# Altium PCB SAFETY_2019_v_3_0.PcbDoc (part 1 of 2) (continued)
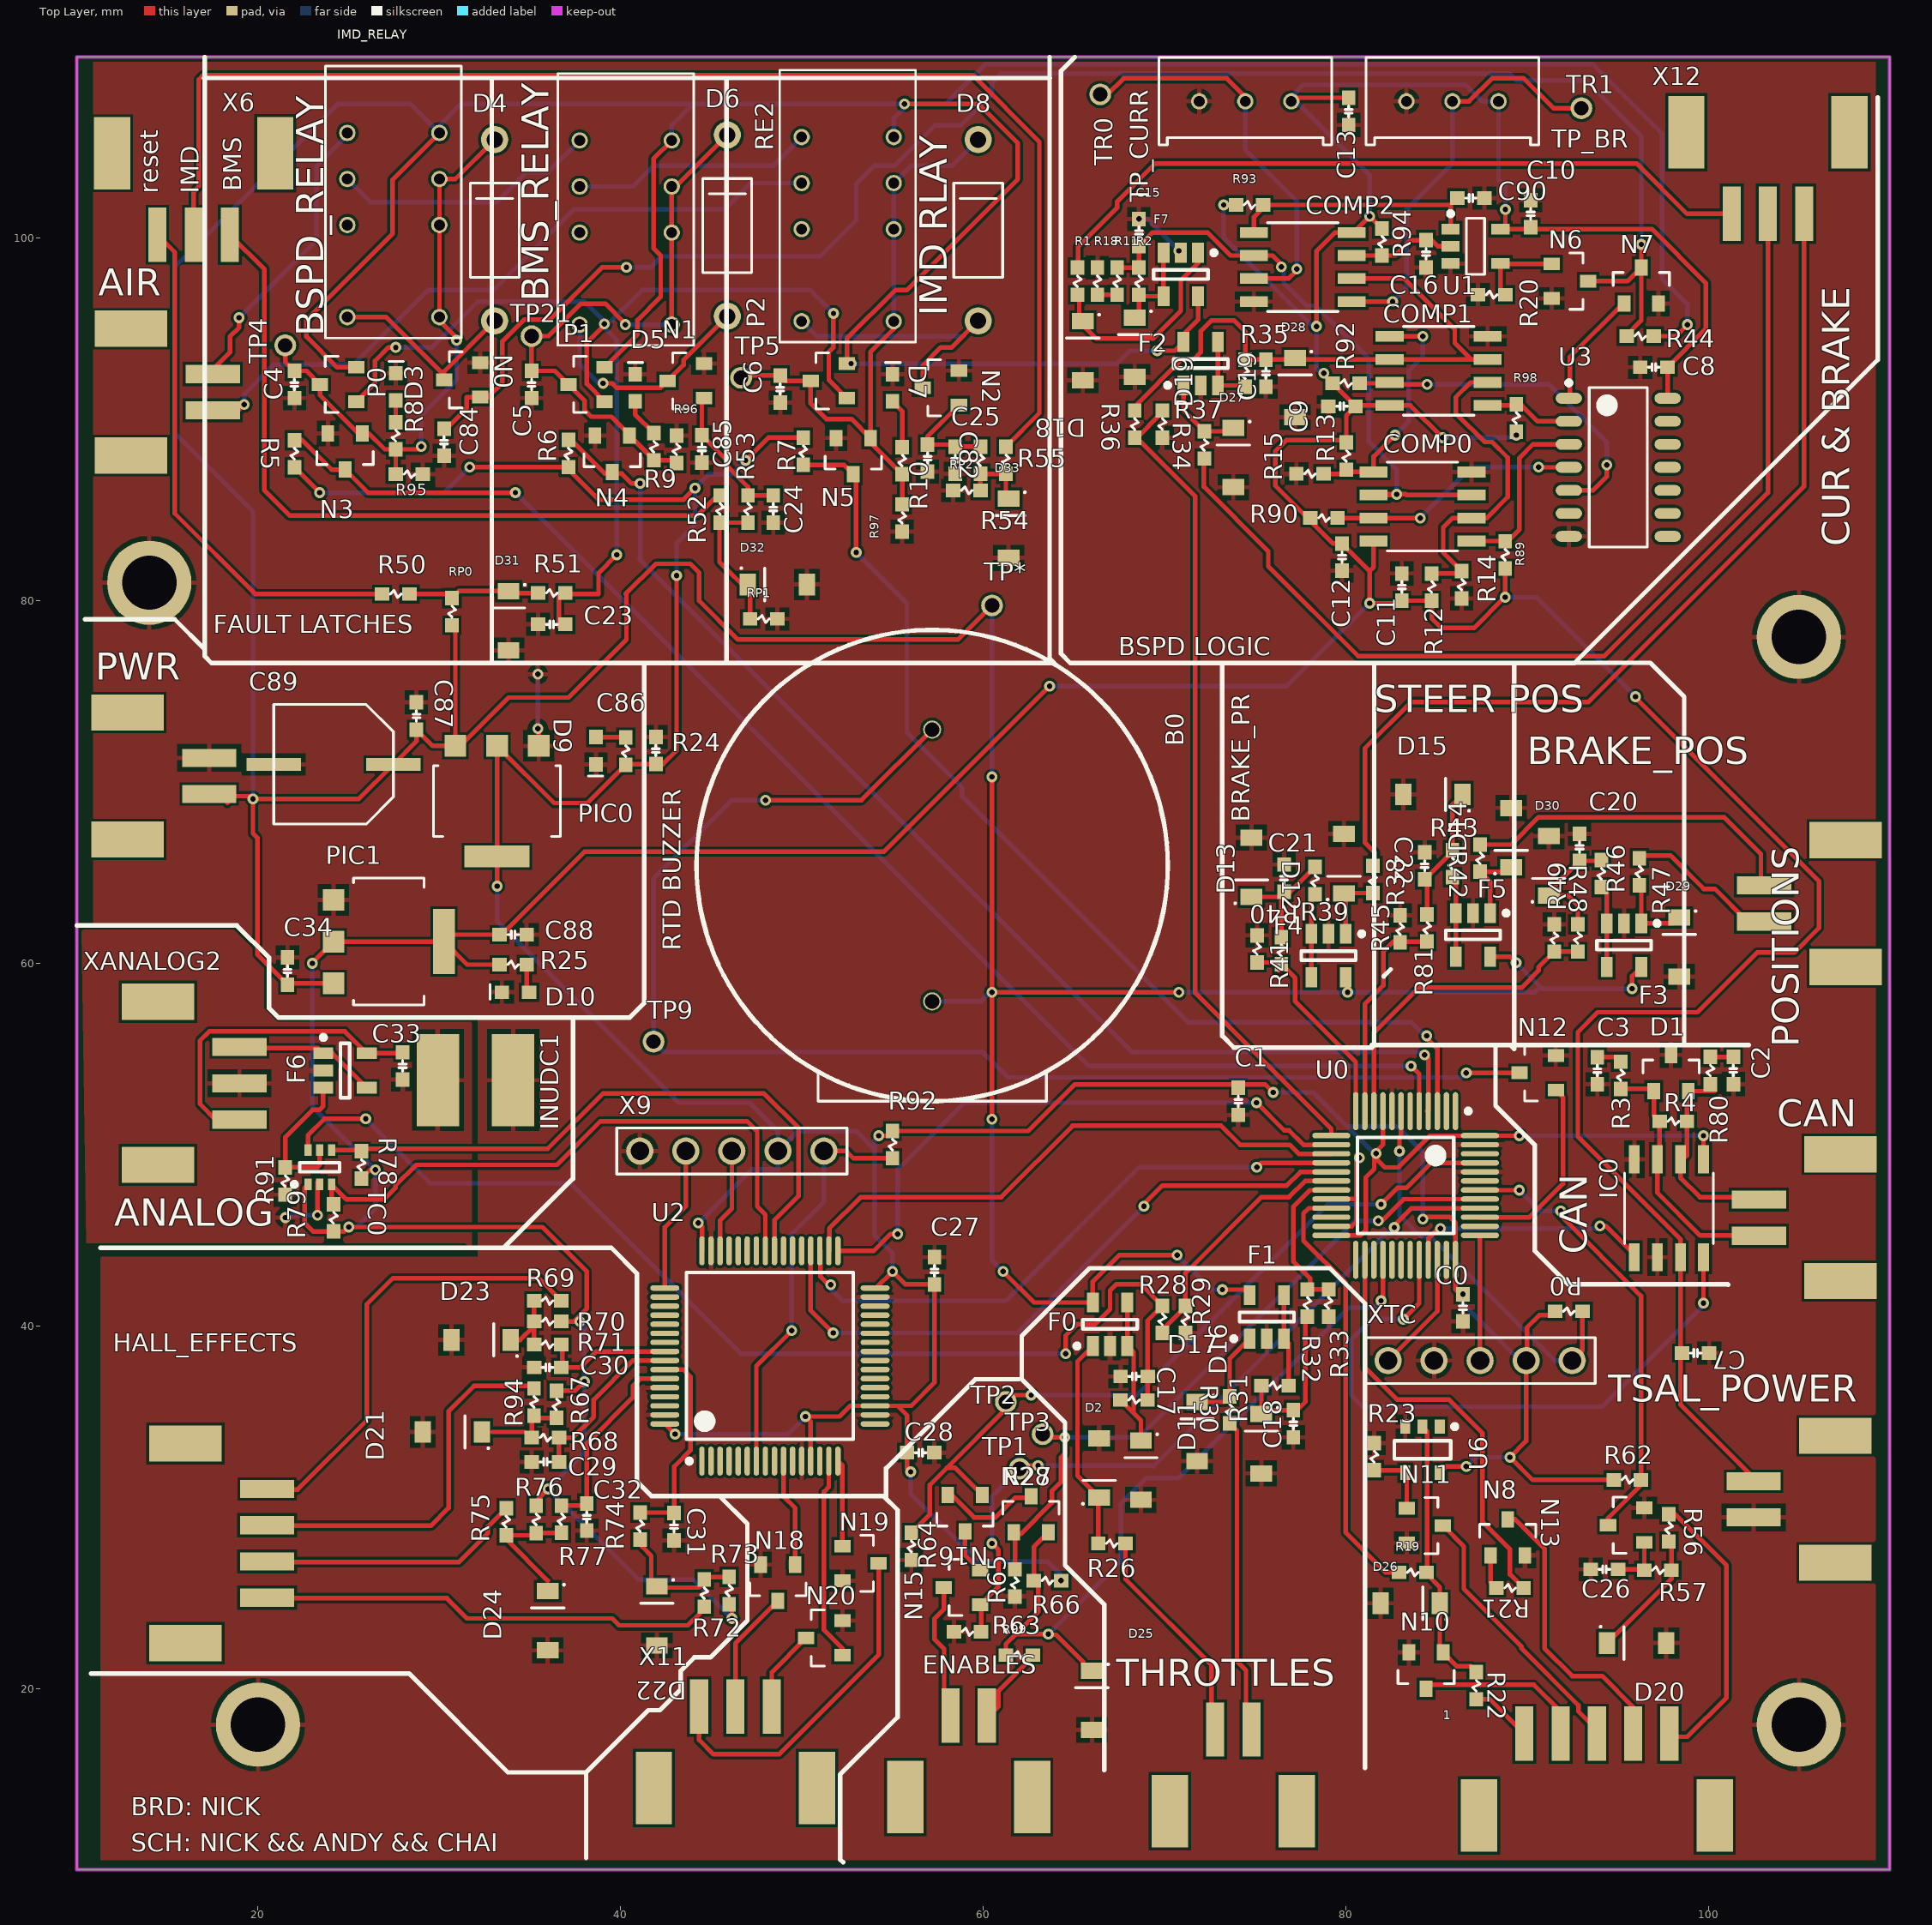
[diagram p0: Top Layer view]
## Components (designator, comment, footprint, x,y, rotation, side; value= is the part's Value field where it differs from the comment) (continued)
PWR "Molex 505575-02 2 Position 2.00mm pitch connector wire to board connector Datasheet" 505575-02 16.809,70.336 r90 top
R0 "10K" RES-0603 92.307,40.807 r0 top
R1 "100" RES-0603 65.2,97.632 r270 top
R2 "10k" RES-0603 68.592,97.632 r90 top
R3 "100" RES-0603 95.174,53.823 r270 top
R4 "120" RES-0603 98.071,51.283 r0 top
R5 "10K" RES-0603 22.007,88.112 r270 top
R6 "10K" RES-0603 37.12,88.124 r270 top
R7 "10K" RES-0603 50.074,88.251 r90 top
R8 "900" RES-0603 27.595,89.106 r90 top
R9 "900" RES-0603 41.831,88.505 r270 top
R10 "900" RES-0603 55.535,87.731 r90 top
R11 "10K" RES-0603 67.392,97.632 r90 top
R12 "2K" RES-0603 84.745,80.758 r270 top
R13 "100K" RES-0603 80.034,87.985 r90 top
R14 "100K" RES-0603 86.396,80.885 r90 top
R15 "2K" RES-0603 78.026,87.005 r0 top
R18 "15K" RES-0603 66.3,97.632 r270 top
R19 "10K" RES-0603 83.7,26.4 r0 top
R20 "10K" RES-0603 88.047,96.887 r180 top
R21 "1K" RES-0603 89.063,25.538 r180 top
R22 "100" RES-0603 87.2,20.15 r270 top
R23 "10K" RES-0603 81.57,32.785 r270 top
R24 "200" RES-0603 40.283,71.705 r270 top
R25 "330" RES-0603 34.073,59.93 r180 top
R26 "100" RES-0603 67.1,28 r180 top
R27 "3.3K" RES-0603 68.319,35.91 r0 top
R28 "10K" RES-0603 69.886,40.36 r90 top
R29 "15K" RES-0603 71.156,40.36 r90 top
R30 "100" RES-0603 73.6,35.365 r90 top
R31 "3.3K" RES-0603 76.1,36.7 r180 top
R32 "10K" RES-0603 77.887,41.261 r270 top
R33 "15K" RES-0603 79.054,41.261 r90 top
R34 "100" RES-0603 72.2,88.6 r90 top
R35 "10k" RES-0603 74.458,92.557 r90 top
R36 "10K" RES-0603 68.362,89.747 r90 top
R37 "15K" RES-0603 69.886,89.747 r90 top
R38 "100" RES-0603 81.5,64.63 r270 top
R39 "10k" RES-0603 78.3,64.566 r90 top
R40 "10K" RES-0603 76.452,60.7 r90 top
R41 "15K" RES-0603 75.113,60.796 r270 top
R42 "100" RES-0603 87.412,65.803 r270 top
R43 "10k" RES-0603 85.888,65.5 r90 top
R44 "10K" RES-0603 96.244,94.601 r180 top
R45 "15K" RES-0603 83,61.9 r270 top
R46 "100" RES-0603 96.2,65.053 r270 top
R47 "10k" RES-0603 94.1,64.95 r90 top
R48 "10K" RES-0603 92.804,61.4 r90 top
R49 "15K" RES-0603 91.5,61.4 r270 top
R50 "100" RES-0603 27.595,80.377 r0 top
R51 "100K" RES-0603 36.2,80.428 r0 top
R52 "100" RES-0603 45.487,85.064 r270 top
R53 "100K" RES-0603 47.026,85.064 r90 top
R54 "100" RES-0603 61.25,87.755 r270 top
R55 "100K" RES-0603 59.853,87.755 r90 top
R56 "100" RES-0603 97.826,28.855 r270 top
R57 "100K" RES-0603 97.219,26.517 r0 top
R62 "10K" RES-0603 95.54,31.506 r180 top
R63 "10K" RES-0603 59.135,23.125 r0 top
R64 "10K" RES-0603 56.038,27.837 r90 top
R65 "10K" RES-0603 61.753,25.817 r90 top
R66 "10K" RES-0603 63.548,25.945 r180 top
R67 "1k" RES-0603 36.461,35.673 r90 top
R68 "10k" RES-0603 35.85,33.834 r0 top
R69 "10" RES-0603 35.977,41.388 r180 top
R70 "1k" RES-0603 35.977,40.245 r0 top
R71 "10k" RES-0603 35.977,38.975 r0 top
R72 "10" RES-0603 44.613,25.259 r90 top
R73 "1k" RES-0603 45.987,25.398 r270 top
R74 "10k" RES-0603 41.081,28.954 r90 top
R75 "10" RES-0603 33.691,29.196 r270 top
R76 "1k" RES-0603 35.342,29.325 r90 top
R77 "10k" RES-0603 36.739,29.335 r90 top
R78 "10K" RES-0603 25.702,48.881 r270 top
R79 "10K" RES-0603 24.166,45.96 r270 top
R80 "100" RES-0603 100.112,54.088 r270 top
R81 "10K" RES-0603 84.486,61.95 r90 top
R89 "10K" RES-0603 88.797,82.536 r270 top
R90 "10K" RES-0603 78.796,84.568 r180 top
R91 "100K" RES-0603 21.499,47.989 r90 top
R92 "10K" RES-0603 80.022,92 r0 top
R92 "10k" RES-0603 55,50 r90 top
R93 "10K" RES-0603 74.695,101.84 r180 top
R94 "10K" RES-0603 82,99.796 r90 top
R94 "10" RES-0603 35.227,35.8 r270 top
R95 "10k" RES-0603 28.345,86.981 r0 top
R96 "10K" RES-0603 43.089,88.356 r90 top
R97 "10K" RES-0603 55.535,84.568 r270 top
R98 "10K" RES-0603 89.408,90.082 r270 top
R99 "100" RES-0603 62,21.835 r0 top
RE2 "IMD RELAY" RELAY-DPDT_EC2 52.527,101.774 r90 top
RP0 "10K" RES-0603 30.7,79.4 r270 top
RP1 "10K" RES-0603 47.896,79 r180 top
RP2 "10K" RES-0603 59.101,86.092 r0 top
TC0 "MCP4018T-502E/LT" SC70-LT6_L 23.404,48.754 r90 top
THROTTLES "Molex 505575-02 2 Position 2.00mm pitch connector wire to board connector Datasheet" 505575-02 73.801,17.233 r180 top
TP1 "TP*" Testpoint 62.012,32.117 r90 top locked
TP2 "TP*" Testpoint 61.25,35.806 r90 top locked
TP3 "TP*" Testpoint 63.282,34.022 r90 top locked
TP4 "TP*" Testpoint 21.499,94.093 r90 top locked
TP5 "TP*" Testpoint 46.645,92.303 r90 top locked
TP9 "TP0" Testpoint 41.819,55.683 r270 top locked
TP21 "TP*" Testpoint 35.088,94.601 r90 top locked
TP* "TP*" Testpoint 60.488,79.742 r270 top
TP_BR "TP*" Testpoint 93,107.174 r90 top locked
TP_CURR "TP*" Testpoint 66.457,107.936 r90 top locked
TR0 "TRIMPOT" TRIMPOT_PV36W 74.458,107.555 r180 top
TR1 "TRIMPOT" TRIMPOT_PV36W 85.888,107.555 r180 top
TSAL_POWER "Molex 505575-02 2 Position 2.00mm pitch connector wire to board connector Datasheet" 505575-02 103,30.436 r270 top
U0 "IC-LQFP48_STM32F103C8T6" STM-LQFP48_M 83.303,47.745 r270 top
U1 "IC-SOT23-5_SN74LVC1G08DBVR" SOT95P280X110-5N 87.158,99.554 r0 top
U2 "STM32F446RET6" STM-LQFP64_L 48.237,38.34 r90 top
U3 "CD4072BM96" SOIC127P600X175-14N 95.032,87.362 r0 top
U6 "SN74LVC1G04DBVR" DBV0005A_L 84.237,33.168 r270 top
X6 "Molex 505575-03 3 Position 2.00mm pitch connector wire to board connector Datasheet" 505575-03 16.451,100.689 r0 top
X9 "TC_DEBUGGER" POS5_254MM_MALE 46.137,49.643 r180 top
X11 "Molex 505575-03 3 Position 2.00mm pitch connector wire to board connector Datasheet" 505575-03 46.331,18.5 r180 top
X12 "Molex 505575-03 3 Position 2.00mm pitch connector wire to board connector Datasheet" 505575-03 103.287,101.85 r0 top
XANALOG2 "Molex 505575-03 3 Position 2.00mm pitch connector wire to board connector Datasheet" 505575-03 18.473,53.381 r90 top
XTC "Molex - Micro-Fit 3.0 Series connector,  3.00mm (0.118\") pitch header, 5 positions." POS5_254MM_MALE 87.412,38.086 r0 top

## Footprints (in the part's own frame and the unit in brackets; to place one, negate y for a bottom-side part, rotate by r counter-clockwise, add the part's x,y. Pads: shape width x height; smd on the part's side, far side on the other; paste and mask are expansions set on the pad)
505575-02 [mm]
  rect 1x3 smd: 1(-1,-0.5) 2(1,-0.5)
  rect 2x4 smd: P$3(-3.5,4) P$4(3.5,4)
505575-03 [mm]
  rect 1x3 smd: 1(-2,-0.5) 2(0,-0.5) 3(2,-0.5)
  rect 2x4 smd: P$3(-4.5,4) P$4(4.5,4)
505575-04 [mm]
  rect 1x3 smd: 1(-3,-0.5) 2(-1,-0.5) 3(1,-0.5) 4(3,-0.5)
  rect 2x4 smd: P$3(-5.5,4) P$4(5.5,4)
505575-05 [mm]
  rect 1x3 smd: 1(-4,-0.5) 2(-2,-0.5) 3(0,-0.5) 4(2,-0.5) 5(4,-0.5)
  rect 2x4 smd: P$3(-6.5,4) P$4(6.5,4)
BUZZER_MAS806Q [mm]
  round 1 hole 0.8: +(7.5,0) -(-7.5,0)
  silkscreen extent -13,-13 13,13, body extent -13,-13 13.05,13, height 22.3
CAP-6.3D7.7H-SMD [mm]
  rect 3x0.7 smd: NEG(3.3,0) POS(-3.3,0)
  silkscreen extent -3.3,-3.3 3.3,3.3, body extent -3.5,-3.3 3.5,3.3, height 7.7
CAP-0603 [mm]
  rect 0.8x0.75 smd: 1(-0.75,0) 2(0.75,0)
  silkscreen extent -0.3,-0.2 0.3,0.2, body extent -0.8,-0.4 0.8,0.42, height 0.81
DBV0005A_L [mm] "SOT23, 5-Leads, Body 3.05x1.75mm, Pitch 0.95mm, IPC High Density"
  rect 0.8x0.55 smd: 1(-1.275,0.95) 2(-1.275,0) 3(-1.275,-0.95) 4(1.275,-0.95) 5(1.275,0.95)
  silkscreen extent -1.4,-1.55 0.5,1.9, body extent -1.42,-1.46 1.42,1.46, height 1.08
DO41-10 [mm]
  round 1.5 hole 0.9: A(-5,0) K(5,0)
  silkscreen extent -2.6,-1.35 2.6,1.35, body extent -2.6,-1.34 2.6,1.35, height 2.85
IND-6045 [mm]
  rect 2.35x5.1 smd: 1(-2.075,0) 2(2.075,0)
  body extent -3.15,-3 3.15,3, height 4.5
LEDBLUE-0603 [mm]
  rect 0.8x0.75 smd: A(-0.75,0) K(0.75,0)
  silkscreen extent 1.4,-0.42 1.4,0.38, body extent -0.8,-0.4 0.8,0.4, height 0.53
LEDRED-0603 [mm]
  rect 0.8x0.75 smd: A(-0.75,0) K(0.75,0)
  silkscreen extent 1.4,-0.42 1.4,0.38, body extent -0.8,-0.4 0.8,0.4, height 0.53
MF05A_N [mm] "SOT23, 5-Leads, Body 2.9x1.6mm, Pitch 0.95mm, Lead Span 2.8mm, IPC Medium Density"
  rect 1.1x0.65 smd: 1(-1.2,0.95) 2(-1.2,0) 3(-1.2,-0.95) 4(1.2,-0.95) 5(1.2,0.95)
  silkscreen extent -1.32,-1.5 0.25,1.95, body extent -0.83,-1.49 0.83,1.5, height 1.19
POS5_254MM_MALE [mm]
  round 1.5 hole 1.02: P$1(-5.08,0) P$2(-2.54,0) P$3(0,0) P$4(2.54,0) P$5(5.08,0)
  silkscreen extent -6.35,-1.27 6.35,1.27, body extent -6.35,-1.24 6.35,1.25, height 8.54
RELAY-DPDT_EC2 [mm]
  round 0.9 / inner round 1.524 / far side round 0.9 hole 0.6: 1(-6.35,2.54) 3(-1.27,2.54) 4(1.27,2.54) 5(3.81,2.54) 8(3.81,-2.54) 9(1.27,-2.54) 10(-1.27,-2.54) 12(-6.35,-2.54)
  silkscreen extent -7.5,-3.75 7.5,3.75, body extent -7.4,-3.75 7.6,3.75, height 8.9
RES-0603 [mm]
  rect 0.8x0.75 smd: 1(-0.75,0) 2(0.75,0)
  silkscreen extent -0.3,-0.2 0.3,0.2, body extent -0.8,-0.4 0.8,0.4, height 0.44
SC70-LT6_L [mm] "SOT363, 6-Leads, Body 2x1.3mm, Pitch 0.65mm, Lead Span 2.1mm, IPC High Density"
  rect 0.65x0.4 smd: 1(-0.95,0.65) 2(-0.95,0) 3(-0.95,-0.65) 4(0.95,-0.65) 5(0.95,0) 6(0.95,0.65)
  silkscreen extent -1.07,-1.1 0.25,1.52, body extent -0.7,-1.1 0.7,1.1, height 1.1
SOD123 [mm] "SODFL, 2-Leads, Body 1.55x3.70mm, IPC Medium Density"
  rect 0.9x1.2 smd: A(1.635,0) K(-1.635,0)
  silkscreen extent -2.03,-0.9 -0.7,0.95, body extent -1.85,-0.85 1.85,0.85, height 1.3
SOIC8 [mm]
  rect 0.6x1.55 smd: 1(-1.905,-2.7) 2(-0.635,-2.7) 3(0.635,-2.7) 4(1.905,-2.7) 5(1.905,2.7) 6(0.635,2.7) 7(-0.635,2.7) 8(-1.905,2.7)
  silkscreen extent -2.45,-1.95 2.45,1.95, body extent -2.45,-3.01 2.45,3.01, height 1.5
SOIC127P600X175-14N [mm] "SOIC, 14-Leads, Body 8.65x3.90mm, Pitch 1.27mm, IPC Medium Density"
  oval 1.45x0.6 smd: 1(-2.725,3.81) 2(-2.725,2.54) 3(-2.725,1.27) 4(-2.725,0) 5(-2.725,-1.27) 6(-2.725,-2.54) 7(-2.725,-3.81) 8(2.725,-3.81) 9(2.725,-2.54) 10(2.725,-1.27) 11(2.725,0) 12(2.725,1.27) 13(2.725,2.54) 14(2.725,3.81)
  silkscreen extent -2.85,-4.4 1.6,4.78, body extent -3,-4.4 3,4.4, height 1.75
SOT23 [mm]
  rect 0.7x0.9 smd: 1(-0.95,-1) 2(0.95,-1) 3(0,1)
  silkscreen extent -1.55,0 1.55,0.71, body extent -1.45,-1.41 1.45,1.41, height 1.5
SOT95P280X110-5N [mm] "SOT23, 5-Leads, Body 2.90x2.80mm, Pitch 0.95mm, IPC Medium Density"
  rect 1x0.6 smd: 1(-1.375,0.95) 2(-1.375,0) 3(-1.375,-0.95) 4(1.375,-0.95) 5(1.375,0.95)
  silkscreen extent -1.5,-1.55 0.5,1.92, body extent -1.5,-1.53 1.5,1.53, height 1.1
SOT223 [mm]
  rect 1.2x1.2 smd: 1(-2.3,-3.05) 2(0,-3.05) 3(2.3,-3.05)
  rect 3.6x1.2 smd: 4(0,3.05)
  silkscreen extent -3.5,-1.95 3.5,1.95, body extent -3.25,-3.52 3.25,3.5, height 1.8
STM-LQFP48_M [mm] "QFP, 48-Leads, Body 7x7mm, Pitch 0.5mm, IPC Low Density"
  oval 2.1x0.3 smd: 1(-4.1,2.75) 2(-4.1,2.25) 3(-4.1,1.75) 4(-4.1,1.25) 5(-4.1,0.75) 6(-4.1,0.25) 7(-4.1,-0.25) 8(-4.1,-0.75) 9(-4.1,-1.25) 10(-4.1,-1.75) 11(-4.1,-2.25) 12(-4.1,-2.75) 25(4.1,-2.75) 26(4.1,-2.25) 27(4.1,-1.75) 28(4.1,-1.25) 29(4.1,-0.75) 30(4.1,-0.25) 31(4.1,0.25) 32(4.1,0.75) 33(4.1,1.25) 34(4.1,1.75) 35(4.1,2.25) 36(4.1,2.75)
  oval 0.3x2.1 smd: 13(-2.75,-4.1) 14(-2.25,-4.1) 15(-1.75,-4.1) 16(-1.25,-4.1) 17(-0.75,-4.1) 18(-0.25,-4.1) 19(0.25,-4.1) 20(0.75,-4.1) 21(1.25,-4.1) 22(1.75,-4.1) 23(2.25,-4.1) 24(2.75,-4.1) 37(2.75,4.1) 38(2.25,4.1) 39(1.75,4.1) 40(1.25,4.1) 41(0.75,4.1) 42(0.25,4.1) 43(-0.25,4.1) 44(-0.75,4.1) 45(-1.25,4.1) 46(-1.75,4.1) 47(-2.25,4.1) 48(-2.75,4.1)
  silkscreen extent -4.22,-2.65 2.65,3.57, body extent -4.51,-4.51 4.51,4.51, height 1.55
STM-LQFP64_L [mm] "QFP, 64-Leads, Body 10x10mm, Pitch 0.5mm, IPC High Density"
  oval 1.6x0.3 smd: 1(-5.8,3.75) 2(-5.8,3.25) 3(-5.8,2.75) 4(-5.8,2.25) 5(-5.8,1.75) 6(-5.8,1.25) 7(-5.8,0.75) 8(-5.8,0.25) 9(-5.8,-0.25) 10(-5.8,-0.75) 11(-5.8,-1.25) 12(-5.8,-1.75) 13(-5.8,-2.25) 14(-5.8,-2.75) 15(-5.8,-3.25) 16(-5.8,-3.75) 33(5.8,-3.75) 34(5.8,-3.25) 35(5.8,-2.75) 36(5.8,-2.25) 37(5.8,-1.75) 38(5.8,-1.25) 39(5.8,-0.75) 40(5.8,-0.25) 41(5.8,0.25) 42(5.8,0.75) 43(5.8,1.25) 44(5.8,1.75) 45(5.8,2.25) 46(5.8,2.75) 47(5.8,3.25) 48(5.8,3.75)
  oval 0.3x1.6 smd: 17(-3.75,-5.8) 18(-3.25,-5.8) 19(-2.75,-5.8) 20(-2.25,-5.8) 21(-1.75,-5.8) 22(-1.25,-5.8) 23(-0.75,-5.8) 24(-0.25,-5.8) 25(0.25,-5.8) 26(0.75,-5.8) 27(1.25,-5.8) 28(1.75,-5.8) 29(2.25,-5.8) 30(2.75,-5.8) 31(3.25,-5.8) 32(3.75,-5.8) 49(3.75,5.8) 50(3.25,5.8) 51(2.75,5.8) 52(2.25,5.8) 53(1.75,5.8) 54(1.25,5.8) 55(0.75,5.8) 56(0.25,5.8) 57(-0.25,5.8) 58(-0.75,5.8) 59(-1.25,5.8) 60(-1.75,5.8) 61(-2.25,5.8) 62(-2.75,5.8) 63(-3.25,5.8) 64(-3.75,5.8)
  silkscreen extent -5.92,-4.6 4.6,4.6, body extent -5,-5 5,5, height 1.6
Testpoint [mm]
  round 1.2 hole 0.8: 1(0,0)
TRIMPOT_PV36W [mm]
  round 0.9 hole 0.6: 1(-2.54,0) 2(0,0) 3(2.54,0)
  silkscreen extent -4.76,-2.42 4.76,2.41, body extent -4.77,-2.41 4.75,2.41, height 11.59

## Part data
1: library part 505575-05, DeviceSetName=505575-05, GateName_1=G$1, LibraryName="MOLEX Micro-Lock", Package=505575-05, SymbolName_1=5POS
AIR CAN ENABLES POSITIONS PWR THROTTLES TSAL_POWER: library part 505575-02, DeviceSetName=505575-02, GateName_1=G$1, LibraryName="MOLEX Micro-Lock", Package=505575-02, SymbolName_1=2POS
BMS_RELAY IMD_RELAY RE2: library part RELAY_EC2, Package=DPDT_2.54, DeviceSetName=EC2, GateName_1=G$1, LibraryName=KEMET, SymbolName_1=MONOSTABLERELAY
C0 C1 C2 C3 C4 C5 C6 C7 C8 C9 C10 C11 C12 C13 C15 C16 C17 C18 C19 C20 C21 C22 C23 C24 C25 C26 C27 C28 C29 C30 C31 C32 C33 C34 C82 C84 C85 C86 C87 C88 C90: library part CAP-0603
C89: library part CAP-6.3D7.7H-SMD
D2 D11 D12 D13 D14 D15 D16 D17 D18 D19 D20 D21 D22 D23 D24 D25 D26 D27 D28 D29 D30 D31 D32 D33: library part DIODE-SOD123
D3 D5 D7: library part LEDBLUE-0603
D4 D6 D8: library part DIODE-DO41-10
F0 F1 F2 F3 F4 F5 F6 F7: library part CMP-0055-01048-2, "General Purpose, Low Voltage, Rail-to-Rail Output Operational Amplifiers, 5-pin SOT-23", Manufacturer="National Semiconductor", PackageTopMarking=A13*XTT, PowerWise=N, ComponentLink1Description="LMV321 Datasheet", ComponentLink1URL=http://www.national.com/ds/LM/LMV321.pdf, ComponentLink2Description="LMV321 Web Page", ComponentLink2URL=http://www.national.com/pf/LM/LMV321.html, ComponentLink3Description="MF05A Package Page", ComponentLink3URL=http://www.national.com/packaging/folders/mf05a.html, CompType=Amplifiers, DatasheetVersion=Sep-2009, PackageDescription="Molded SOT-23, .115 x .063 x .040 in Body, 5 Lead, .0375 in Pitch", PackageReference=MF05A, PackageVersion="revD, Aug-2008", PinCount=5, RevisionNote="Component URLs added", RoHS=N
HALL_EFFECTS: library part 505575-04, DeviceSetName=505575-04, GateName_1=G$1, LibraryName="MOLEX Micro-Lock", Package=505575-04, SymbolName_1=4POS
INUDC1: library part IND-6045
N6 N7 N8: library part NMOS-SOT23
PIC0 PIC1: library part LDO-SOT223_SPX1117
R0 R1 R2 R3 R4 R5 R6 R7 R8 R9 R10 R11 R12 R13 R14 R15 R18 R19 R20 R21 R22 R23 R24 R25 R26 R27 R28 R29 R30 R31 R32 R33 R34 R35 R36 R37 R38 R39 R40 R41 R42 R43 R44 R45 R46 R47 R48 R49 R50 R51 R52 R53 R54 R55 R56 R57 R62 R63 R64 R65 R66 R67 R68 R69 R70 R71 R72 R73 R74 R75 R76 R77 R78 R79 R80 R81 R89 R90 R91 R92 R92 R93 R94 R94 R95 R96 R97 R98 R99 RP0 RP1 RP2: library part RES-0603
TC0: library part CMP-0188-00771-2, "7-Bit Single I2C Digital POT with Volatile Memory, 6-pin SC70, Extended Temperature, Tape and Reel", ComponentLink1Description="Manufacturer URL", ComponentLink1URL=http://www.microchip.com/, ComponentLink2Description=Datasheet, ComponentLink2URL=http://ww1.microchip.com/downloads/en/DeviceDoc/22147a.pdf, ComponentLink3Description="Package Specification", ComponentLink3URL=http://www.microchip.com/stellent/groups/techpub_sg/documents/packagingspec/en012702.pdf, DatasheetVersion="revA, Mar-2009", PackageDescription="6-Lead Plastic Small Outline Transistor (LT) [SC70]", PackageReference=SC70-LT6, PackageVersion="revBB, Aug-2009", RevisionNote="URLs added."
TP1 TP2 TP3 TP4 TP5 TP9 TP21 TP* TP_BR TP_CURR: library part Testpoint
TR0 TR1: library part TRIMPOT_PV36W
U0: I/Os (High Current)=37, Operating Frequency(F) (Processor speed) (MHz)=72, PartNumber=STM32F103C8T6, Supplier Part Number 1=497-6063-ND, Supply Voltage(Vcc) min (V)=2, A/D Converter="2x12-bit (10 Channel)", ComponentLink1Description="Manufacturer URL", ComponentLink1URL=http://www.st.com/web/en/home.html, ComponentLink2Description=Datasheet, ComponentLink2URL=http://www.st.com/st-web-ui/static/active/en/resource/technical/document/datasheet/CD00161566.pdf, ComponentLink3Description="Package Specification", ComponentLink3URL=http://www.st.com/st-web-ui/static/active/en/resource/technical/document/datasheet/DM00058181.pdf, Core="ARM Cortex-M3", DatasheetVersion="Rev. 16", FLASH Size (Prog) (kB)=64, Internal RAM Size (kB)=20, Mounting Technology="Surface Mount", PackageDescription="48-Pin Low Profile Quad Flat Package, 7 x 7 mm Body, 0.5 mm Pitch", PackageReference=LQFP48, PackageVersion="Rev. 6, 06/2013", Packing=Tray, Supplier 1=Digi-Key, Supplier 2=Farnell, Supplier 3=Newark, Supplier 4=Newark, Supplier 5=Mouser, Supplier Part Number 2=1447637, Supplier Part Number 3=59M2182, Supplier Part Number 4=57P1222, Supplier Part Number 5=511-STM32F103C8T6
U1: "IC GATE AND 1CH 2-INP SOT23-5", Case/Package=SOT-23, High Level Output Current=-32mA, Low Level Output Current=32mA, Manufacturer="Texas Instruments", Manufacturer Part Number=SN74LVC1G08DBVR, Max Operating Temperature=125°C, Max Supply Voltage=5.5V, Min Operating Temperature=-40°C, Min Supply Voltage=1.65V, Package Quantity=1, Quiescent Current=10uA, ComponentLink1Description=http://www.jameco.com/Jameco/Products/ProdDS/756490.pdf?src-supplier=Jameco, ComponentLink1URL=http://www.jameco.com/Jameco/Products/ProdDS/756490.pdf?src-supplier=Jameco, ComponentLink2Description=http://focus.ti.com/lit/ds/symlink/sn74lvc1g08.pdf?src-supplier=Avnet+Europe, ComponentLink2URL=http://focus.ti.com/lit/ds/symlink/sn74lvc1g08.pdf?src-supplier=Avnet+Europe, ComponentLink3Description=http://www.ti.com/general/docs/lit/getliterature.tsp?genericPartNumber=SN74LVC1G08&amp;&amp;fileType=pdf&src-supplier=Avnet+Asia, ComponentLink3URL=http://www.ti.com/general/docs/lit/getliterature.tsp?genericPartNumber=SN74LVC1G08&amp;&amp;fileType=pdf&src-supplier=Avnet+Asia, ComponentLink4Description=http://www.farnell.com/datasheets/1996458.pdf?src-supplier=Element14, ComponentLink4URL=http://www.farnell.com/datasheets/1996458.pdf?src-supplier=Element14, ComponentLink5Description=http://www.ti.com/lit/pdf/sdyu001?src-supplier=Digi-Key, ComponentLink5URL=http://www.ti.com/lit/pdf/sdyu001?src-supplier=Digi-Key, ComponentLink6Description=https://www.verical.com/server-webapp/html/getDatasheet?partID=39173&src-supplier=Verical, ComponentLink6URL=https://www.verical.com/server-webapp/html/getDatasheet?partID=39173&src-supplier=Verical, ComponentLink7Description=http://www.ti.com/general/docs/lit/getliterature.tsp?genericPartNumber=SN74LVC1G08&&fileType=pdf&src-supplier=Avnet, ComponentLink7URL=http://www.ti.com/general/docs/lit/getliterature.tsp?genericPartNumber=SN74LVC1G08&&fileType=pdf&src-supplier=Avnet, ComponentLink8Description=http://www.produktinfo.conrad.com/datenblaetter/1000000-1099999/001074511-da-01-en-IC_2_INPUT_SN74LVC1G08DBVR_SOT_23_5_TID.pdf?src-supplier=Conrad, ComponentLink8URL=http://www.produktinfo.conrad.com/datenblaetter/1000000-1099999/001074511-da-01-en-IC_2_INPUT_SN74LVC1G08DBVR_SOT_23_5_TID.pdf?src-supplier=Conrad, Contact Plating=Gold, Lead Free="Lead Free", Logic Function=AND, Max Output Current=32mA, Mount="Surface Mount", Number of Bits=1, Number of Circuits=1, Number of Elements=1, Number of Gates=1, Number of Input Lines=2, Number of Inputs=2, Number of Output Lines=1, Number of Outputs=1, Number of Pins=5, Output Current=32mA, Packaging="Tape and Reel", Pricing 1="1 = 0.43000, 10 = 0.32000, 100 = 0.19960, 500 = 0.13658, 1000 = 0.10506 (USD)", Propagation Delay=4ns, Radiation Hardening=No, REACH SVHC="No SVHC", RoHS=Yes, Stock 1=245825, Supplier 1=Digi-Key, Termination=SMD/SMT, Turn-On Delay Time=4.5ns, Weight=0.000557oz
U2: library part CMP-0243-00218-1, "ARM Cortex-M4 32-bit MCU+FPU, 512 KB Flash, 128 KB Internal RAM, 50 I/Os, 64-Pin LQFP, -40 to 85 degC, Tray", I/Os (High Current)=50, Operating Frequency(F) (Processor speed) (MHz)=180, Package Description=LQFP64, Package Reference="64-Pin Low-profile Quad Flat Package, Body 10 x 10 mm, Pitch 0.5 mm", Supply Voltage(Vcc) min (V)=1.7, ComponentLink1Description="Manufacturer URL", ComponentLink1URL=http://www.st.com/, ComponentLink2Description=Datasheet, ComponentLink2URL=http://www.st.com/st-web-ui/static/active/en/resource/technical/document/datasheet/DM00141306.pdf, Core="ARM Cortex-M4", D/A Converter=2, DatasheetVersion="Rev. 6", FLASH Size (Prog) (kB)=512, Internal RAM Size (kB)=128, Mounting Technology="Surface Mount", Packing=Tray
U3: library part IC-SOIC14_CD4072BM96, "Logic Gates CMOS Dual 4-Input OR", Case/Package=SOIC, High Level Output Current=3.4mA, Manufacturer="Texas Instruments", Max Operating Temperature=125°C, Max Supply Voltage=18V, Min Operating Temperature=-55°C, Min Supply Voltage=3V, Output Current=6.8mA, Package Quantity=1, Quiescent Current=5uA, ComponentLink1Description=http://www.ti.com/general/docs/lit/getliterature.tsp?genericPartNumber=CD4072B-MIL&&fileType=pdf&src-supplier=Avnet, ComponentLink1URL=http://www.ti.com/general/docs/lit/getliterature.tsp?genericPartNumber=CD4072B-MIL&&fileType=pdf&src-supplier=Avnet, ComponentLink2Description=http://www.farnell.com/datasheets/1834701.pdf?src-supplier=Element14, ComponentLink2URL=http://www.farnell.com/datasheets/1834701.pdf?src-supplier=Element14, ComponentLink3Description=http://www.produktinfo.conrad.com/datenblaetter/1000000-1099999/001073543-da-01-en-IC_DUAL_4INPUT_OR_CD4072BM96_SOIC_14_TID.pdf?src-supplier=Conrad, ComponentLink3URL=http://www.produktinfo.conrad.com/datenblaetter/1000000-1099999/001073543-da-01-en-IC_DUAL_4INPUT_OR_CD4072BM96_SOIC_14_TID.pdf?src-supplier=Conrad, Contact Plating=Gold, Lead Free="Lead Free", Logic Function=OR, Low Level Output Current=3.4mA, Manufacturer Part Number=CD4072BM96, Mount="Surface Mount", Number of Bits=2, Number of Circuits=2, Number of Elements=2, Number of Gates=2, Number of Input Lines=4, Number of Inputs=4, Number of Output Lines=1, Number of Outputs=1, Number of Pins=14, Packaging="Tape and Reel", Pricing 1="1 = 0.42000, 10 = 0.35900, 100 = 0.26820, 500 = 0.21074, 1000 = 0.16284 (USD)", Propagation Delay=90ns, REACH SVHC="No SVHC", RoHS=Yes, Stock 1=5874, Supplier 1=Digi-Key, Turn-On Delay Time=120ns, Weight=0.004564oz
U6: library part CMP-0859-00134-2, "Single Inverter, DBV0005A, LARGE T&R", F @ Nom Voltage(Max)(Mhz)=150, Generic Part Number=SN74LVC1G04, ICC @ Nom Voltage(Max)(mA)=0.01, Manufacturer="Texas Instruments", Operating Temperature Range(C)="-40 to 125,-40 to 85", Rating=Catalog, tpd @ Nom Voltage(Max)(ns)=7.5,5.2,4.2,3.7, Voltage(Nom)(V)=1.8,2.5,3.3,5, 3-State Output=No, Bits(#)=1, ComponentLink1Description="Manufacturer URL", ComponentLink1URL=http://www.ti.com/, ComponentLink2Description=Datasheet, ComponentLink2URL=http://www.ti.com/lit/ds/symlink/sn74lvc1g04.pdf, DatasheetVersion=SCES214AD, Input Type=CMOS/TTL, Logic=Inverting, Output Drive (IOL/IOH)(Max)(mA)=32/-32, Output Type=CMOS, PackageReference=DBV0005A, PartId=1, PartNumber=SN74LVC1G04DBVR, Schmitt Trigger=No, Sub-Family="Inverting Buffer/Driver", Technology Family=LVC, VCC(Max)(V)=5.5, VCC(Min)(V)=1.65
X6 X11 X12 XANALOG2: library part 505575-03, DeviceSetName=505575-03, GateName_1=G$1, LibraryName="MOLEX Micro-Lock", Package=505575-03, SymbolName_1=3POS
X9 XTC: library part POS5_254MM_MALE, Package=43650-0524, DeviceName=43650-0524, DeviceSetName=HEADER_POS5_?, GateName_1=G$1, LibraryName="MOLEX Micro-Fit", SymbolName_1=HEADER_POS5

## Free pads (board coordinates)
  round 4.65 hole 3: 6(105,78) 7(105,18) 8(20,18) 9(14,81)

## Via types
v1: diameter 0.6, hole 0.3, Top Layer to Bottom Layer, 116 vias

## Nets (pads, with @x,y where several pads share a name; then routed paths per layer and width w, separated by ;. In a path a pad name is that pad's centre, name@x,y a point inside that pad or via, vN(x,y) a via of type N, cw(c..) or ccw(c..) an arc to the next point about the centre after c; other vN are vias at no path point)
+3.3V: C0.2 C1.2 C27.2 C28.2 C86.2 IC0.5 PIC0.2 PIC0.4 R0.1 R5.2 R6.2 R7.2 R24.2 R62.2 R66.1 R92.2@55,50.75 U0.9 U0.24 U0.36 U0.48 U2.13 U2.19 U2.32 U2.48 U2.64 U6.5 X9.P$2 XTC.P$4 | length 256
  Top Layer w0.254: R5.2@22.007,87.362 v1(23.404,85.965) ; v1(31.671,87.374) R6.2@37.12,87.374 37.12,87.247 38.783,85.584 43.47,85.584 v1(44.105,86.219) ; v1(33.183,64.254) PIC0.4@33.183,65.897 PIC0.2@33.183,71.997 36.336,68.844 38.172,68.844 R24.2@40.283,70.955 40.319,70.991 C86.2@41.946,70.991 42.339,70.991 43.089,71.741 v1(43.089,81.393) ; U2.64@42.437,34.59 v1(43,34.027) ; v1(44.286,45.675) 44.487,45.474 U2.48@44.487,44.14 ; v1(46.899,87.743) 48.157,89.001 R7.2@50.074,89.001 ; U2.13@50.487,32.54 50.487,34.714 v1(50.201,35) 52.068,35 52.658,35.59 U2.19@54.037,35.59 55.281,35.59 ; U2.32@54.037,42.09 54.09,42.09 v1(55,43) 55.711,42.289 C27.2@57.313,42.289 57.313,36.865 56.038,35.59 55.281,35.59 ; v1(54.233,50.489) 54.739,50.489 R92.2@55,50.75 62.484,50.75 65.06,53.326 75.551,53.326 v1(76,52.877) ; v1(56,31.952) 55.801,32.151 C28.2@55.801,33.006 55.801,35.07 55.281,35.59 ; U0.24@79.203,44.989 80.815,44.989 81.109,45.283 81.109,48.191 81.57,48.652 v1@81.57,49.334 ; U0.9@82.053,51.839 82.053,49.999 81.671,49.617 v1(81.671,49.516) 81.671,49.435 v1@81.57,49.334 ; v1(84.249,45.894) 84.373,46.018 85.723,46.018 86.053,45.688 U0.36@86.053,43.645 86.053,42 86.308,41.745 v1(86.465,41.745) ; U6.5@85.187,31.893 85.538,32.244 v1(86.65,32.244) ; v1(89.571,50.489) 84.639,50.489 82.889,48.739 82.165,48.739 v1@81.57,49.334 ; R0.1@91.557,40.807 91.34,40.59 90.675,40.59 90,39.915 90,38.134 XTC.P$4@89.952,38.086 89.952,33.641 v1(89.063,32.752) 90.309,31.506 R62.2@94.79,31.506 ; IC0.5@99.731,49.189 v1(99.731,50.489)
  Bottom Layer w0.254: v1(23.404,85.965) 30.262,85.965 v1(31.671,87.374) ; v1(33.183,64.254) 33.183,62.341 43.214,52.31 47.111,52.31 48.677,50.744 X9.P$2@48.677,49.643 ; v1(43,34.027) 49.228,34.027 v1(50.201,35) ; v1(43.089,81.393) 43.089,83.171 44.105,84.187 v1(44.105,86.219) 44.867,86.981 46.137,86.981 v1(46.899,87.743) ; v1(44.286,45.675) 47.251,48.641 48.677,48.641 X9.P$2@48.677,49.643 ; v1@54.233,50.589 v1(54.233,50.489) 54,50.256 54,49.744 ; v1(55,43) 55,44 54,45 54,49.744 ; v1(56,31.952) 56,30.726 59.726,27 63.552,27 64.298,26.254 v1(64.298,25.945) ; v1(76,52.877) 78.209,52.877 80.086,51 ; v1(81.671,49.516) 81.57,49.516 80.086,51 ; v1@84.249,45.833 v1(84.249,45.894) 84.249,49.588 82.837,51 80.086,51 ; v1(86.465,41.745) 86.455,41.745 86.2,41.49 89.604,38.086 XTC.P$4@89.952,38.086 ; v1(86.65,32.244) 87.158,32.752 v1(89.063,32.752) ; v1(89.571,50.489) v1(99.731,50.489) ; X9.P$2@48.677,49.643 49.778,50.744 53,50.744 54,49.744
+5: C7.2 C8.2 C9.2 C10.2 C11.2 C12.2 C13.2 C88.2 COMP0.8 COMP1.8 COMP2.8 IC0.3 PIC1.2 PIC1.4 R12.2 R13.2 R25.2 R67.2 R70.2 R73.2 R76.2 R78.2 R79.2 R89.2 R90.2 R92.1@79.272,92 R93.2 R94.2@82,100.546 R98.2 TC0.1 TR0.1 TR1.1 TSAL_POWER.1 U1.5 U3.14 | length 323.8
  Top Layer w0.254: TC0.1@22.754,47.804 22.574,47.624 22.574,45.675 23.039,45.21 R79.2@24.166,45.21 24.758,45.21 v1(25,45.452) 35.684,45.452 38.136,43 38.136,40.953 37.428,40.245 ; v1(23,60) 23,60.036 PIC1.2@24.164,61.2 PIC1.4@30.264,61.2 ; R78.2@25.702,48.131 26.189,48.618 v1(26.479,48.618) ; R25.2@33.323,59.93 31.534,59.93 PIC1.4@30.264,61.2 ; R76.2@35.342,30.075 35.342,30.342 v1(36,31) ; R67.2@36.461,36.423 37.489,36.423 v1(38,36.934) ; R70.2@36.727,40.245 37.428,40.245 ; v1(37.755,40.245) 37.428,40.245 ; R73.2@45.987,24.648 46.138,24.497 v1(46.138,23.862) ; v1(63.663,75.297) 54.519,66.153 38.009,66.153 33.437,61.581 C88.2@33.323,61.581 30.645,61.581 PIC1.4@30.264,61.2 ; v1(73.265,101.84) R93.2@73.945,101.84 ; TR0.1@76.998,107.809 77.057,107.75 C13.2@80.161,107.75 ; v1@78.307,95.229 v1(78.395,95.141) 78.395,99.3 79.411,100.316 COMP2.8@80.333,100.316 80.427,100.316 v1(81.316,101.205) 81.341,101.205 R94.2@82,100.546 ; v1(78.796,92.557) 78.796,92.476 R92.1@79.272,92 C9.2@80.542,90.73 ; COMP0.8@81.537,83.298 81.537,81.856 81.316,81.635 ; v1@85.459,88.886 v1(85.345,89) 83.566,90.779 COMP1.8@82.426,90.779 80.591,90.779 C9.2@80.542,90.73 ; v1@88.785,80.215 87.071,78.5 85.273,78.5 84.745,79.028 R12.2@84.745,80.008 C11.2@83.094,80.008 82.955,79.869 v1(81.316,79.869) 81.316,81.635 ; v1@88.797,80.226 R89.2@88.797,81.786 ; v1(88.809,101.586) 88.809,100.78 U1.5@88.533,100.504 96.888,100.504 99.858,97.534 99.858,94.998 C8.2@97.744,92.884 97.757,92.871 U3.14@97.757,91.172 ; v1(95.991,74.709) 95.921,74.709 106.1,64.53 106.1,61.95 104.75,60.6 102.7,60.6 99.4,57.3 93.9,57.3 92.804,56.204 92.804,50.45 98.461,44.793 IC0.3@98.461,43.789 98.461,35.664 TSAL_POWER.1@102.651,31.474 ; C9.2@80.542,90.73 80.034,90.222 R13.2@80.034,88.735 79.907,88.862 76.72,88.862 76.109,88.251 76.109,86.358 79.308,83.159 C12.2@79.792,83.159 81.316,81.635
  Bottom Layer w0.254: v1(23,60) 23,52.079 26.461,48.618 v1(26.479,48.618) 26.479,46.48 25.452,45.452 v1(25,45.452) ; v1(37.755,40.245) 38,40 v1(38,36.934) 38,33 v1(36,31) 41,26 44,26 v1(46.138,23.862) ; v1(63.663,75.297) 76.744,75.297 v1(81.316,79.869) ; v1(73.265,101.84) 73.265,100.051 78.175,95.141 v1(78.395,95.141) 78.395,92.811 78.649,92.557 v1(78.796,92.557) ; v1(81.316,101.205) 81.316,103.491 76.998,107.809 77.647,108.458 86.614,108.458 87.517,107.555 TR1.1@88.428,107.555 88.428,103.237 88.809,102.856 v1(88.809,101.586) ; v1(85.345,89) 89.268,89 v1(89.408,89.14) ; v1(88.8,80.2) 90.5,80.2 v1(95.991,74.709)
+12: B0.+ BMS_RELAY.8 C34.2 C87.2 C89.POS F0.5 F1.5 F2.5 F3.5 F4.5 F5.5 F7.5 IMD_RELAY.8 P0.2 P1.2 P2.2 PIC0.3 PIC1.3 PWR.1 R44.1 RE2.8 RP0.2 TP*.1 | length 390.1
  Top Layer w0.254: PWR.1@17.436,69.225 19.57,69.225 v1(19.721,69.074) ; PWR.1@18.3,68.844 PWR.1@18.53,69.074 ; PIC1.3@24.164,58.9 21.703,58.9 C34.2@21.626,58.823 19.975,60.474 19.975,66.915 19.721,67.169 v1(19.721,69.074) ; P0.2@25.42,92.884 24.359,92.884 22.67,94.573 22.67,95.501 27.422,100.253 27.422,103.226 IMD_RELAY.8@30.006,105.81 ; RP0.2@30.7,78.65 30.883,78.467 PIC0.3@30.883,71.997 ; P1.2@39.12,92.884 40.93,94.694 40.93,95.486 42.213,96.769 42.213,99.046 41.819,99.44 41.819,104.392 BMS_RELAY.8@42.823,105.396 ; v1(52.716,93.084) P2.2@52.487,93.084 52.487,94.474 55.154,97.141 55.789,97.141 61.905,103.257 61.905,105.249 59.742,107.412 v1(55.662,107.412) ; v1(60.488,51.4) v1(60.488,58.406) ; v1(60.488,70.286) v1(60.488,58.406) ; TP*.1@60.488,79.742 58.607,77.861 46.471,77.861 44.336,79.996 44.336,81.543 43.839,82.04 41.946,82.04 40.283,80.377 40.319,80.341 40.319,77.861 37.12,74.662 33.818,74.662 31.153,71.997 PIC0.3@30.883,71.997 ; v1(61.1,43) 62.81,41.29 F0.5@66.05,41.29 66.05,42.45 67.5,43.9 v1(70.7,43.9) ; v1(69.6,93.8) 70.566,93.8 F2.5@71.05,94.284 71.05,94.7 71.852,95.502 F7.5@71.852,96.8 ; v1(70.794,58.406) v1(60.488,58.406) ; v1(73.2,42) 74.387,42 F1.5@74.695,41.692 ; v1(80.1,58.406) F4.5@80.1,59.127 ; F5.5@87.972,60.37 89.065,60.37 v1(89.4,60.035) ; v1(95.8,58.6) 95.8,59.301 F3.5@96.302,59.803 ; R44.1@96.994,94.601 98.219,94.601 98.847,95.229 v1(98.84,95.236) ; v1(19.721,69.074) 25.561,69.074 C89.POS@27.466,70.979 28.738,72.251 C87.2@28.738,72.896 29.637,71.997 PIC0.3@30.883,71.997
  Bottom Layer w0.254: v1(19.721,69.074) 19.721,84.937 15.403,89.255 15.403,98.403 24.412,107.412 28.404,107.412 IMD_RELAY.8@30.006,105.81 30.006,106.221 31.197,107.412 44.009,107.412 ; BMS_RELAY.8@42.823,105.396 42.823,106.226 44.009,107.412 ; v1(52.716,93.084) 67.384,93.084 68.1,93.8 v1(69.6,93.8) ; RE2.8@55.067,105.584 55.067,106.62 55.662,107.215 v1(55.662,107.412) ; B0.+@57.186,57.898 59.878,57.898 60.386,58.406 v1(60.488,58.406) ; v1(60.488,51.4) 60.488,43.612 v1(61.1,43) ; v1(60.488,70.286) TP*.1@60.488,79.742 ; v1(70.7,43.9) 72.6,42 v1(73.2,42) ; v1(70.794,58.406) v1(80.1,58.406) 90.44,58.406 90.734,58.7 ; v1(89.4,60.035) 90.734,58.7 ; v1(95.8,58.6) 90.834,58.6 90.734,58.7 ; v1(98.84,95.236) 98.84,96.381 97.445,97.776 97.445,105.777 93.621,109.601 60.121,109.601 57.932,107.412 v1(55.662,107.412) ; 44.009,107.412 v1(55.662,107.412)
AGND: C33.1 F6.2 INUDC1.2 R91.1 TC0.2 XANALOG2.2 | length 3.9
  Top Layer w0.254: v1(23.277,46.101) 23.277,47.931 TC0.2@23.404,47.804 TC0.2@23.415,47.793
  Bottom Layer w0.254: v1(21.499,45.974) 21.626,46.101 v1(23.277,46.101)
AIR_IN: AIR.2 IMD_RELAY.5 | length 16.3
  Top Layer w0.254: AIR.2@17.43,92.684 18.451,93.705 18.451,94.573 18.959,95.081 v1(18.959,95.617) v1@18.857,95.617
  Bottom Layer w0.254: v1(18.959,95.617) 23.224,99.882 23.224,104 24.926,105.702 IMD_RELAY.5@24.926,105.81
AIR_OUT: AIR.1 RE2.4 | length 38.1
  Top Layer w0.254: AIR.1@17.43,90.509 AIR.1@17.5,90.509 18.914,90.509 v1(19.237,90.832)
  Bottom Layer w0.254: v1(19.237,90.832) 19.237,91.393 20.88,93.036 25.268,93.036 29.373,97.141 32.977,97.141 37.422,101.586 45.723,101.586 47.181,103.044 RE2.4@49.987,103.044
ANALOG_5V: C33.2 F6.5 XANALOG2.1 | length 18.3
  Top Layer w0.254: XANALOG2.1@19.332,51.326 17.718,51.326 16.8,52.244 16.8,55.739 17.308,56.247 24.792,56.247 F6.5@26.001,55.038 27.922,55.038 C33.2@27.976,55.092
APPS_EN: N15.1 R63.2 TP1.1 U0.40 | length 41.7
  Top Layer w0.254: R63.2@59.885,23.125 59.885,24.564 N15.1@59.832,24.617 60.845,25.631 60.845,27.643 v1(60.488,28) ; TP1.1@62.012,32.117 62.189,32.294 v1(63.028,32.294) ; v1(82.683,45.433) 82.683,45.549 83.623,46.489 U0.40@87.403,46.489
  Bottom Layer w0.254: v1(60.488,28) 60.488,30.593 TP1.1@62.012,32.117 ; v1(63.028,32.294) 69.328,32.294 69.378,32.244 82.567,45.433 v1(82.683,45.433)
BRAKE_LIGHT: 1.2 N8.3 | length 16.1
  Top Layer w0.254: N8.3@88.936,29.332 89.347,29.332 90.968,27.712 90.968,22.211 92.492,20.687 94.143,20.687 95.84,18.99 1.2@95.84,17.332
BRAKE_LIGHT_EN: R21.1 U0.26 | length 23.4
  Top Layer w0.254: U0.26@81.053,43.639 81.053,37.726 82.852,35.927 85.706,35.927 87.539,34.094 87.539,29.196 89.063,27.672 89.063,26.288 R21.1@89.813,25.538
BRAKE_POS: POSITIONS.2 R46.1 | length 8.2
  Top Layer w0.254: R46.1@96.2,65.803 96.347,65.95 97.903,65.95 99.75,64.103 100.366,64.103 102.166,62.303 POSITIONS.2@102.812,62.303
BRAKE_POS_F: C20.1 D30.K R47.2 R48.2 | length 6.7
  Top Layer w0.254: R48.2@92.804,62.15 92.804,63.196 92.255,63.745 D30.K@91.2,63.745 91.2,63.95 C20.1@92.9,65.65 94.05,65.65 R47.2@94.1,65.7
BRAKE_POS_F_3_3: R48.1 R49.2 U0.10 | length 17.6
  Top Layer w0.254: U0.10@81.553,51.839 U0.10@81.553,51.845 81.553,56.174 84.039,58.66 89.698,58.66 90.638,59.6 90.638,59.788 R49.2@91.5,60.65 R48.1@92.804,60.65
BRAKE_PRESSURE_1: R34.1 X12.2 | length 56.5
  Top Layer w0.254: R34.1@72.172,87.731 72.172,86.293 75.728,82.737 75.728,81.901 80.681,76.948 94.27,76.948 103.287,85.965 X12.2@103.287,101.35 X12.2@103.287,101.785
BRAKE_PRESSURE_2: R38.1 X12.3 | length 52.3
  Top Layer w0.254: R38.1@81.6,65.5 81.6,66.123 81.053,66.67 81.053,71.859 83.602,74.408 93.381,74.408 105.287,86.314 X12.3@105.287,101.35 X12.3@105.287,101.785
BRAKE_PRESSURE_F_1: C19.1 COMP1.3 COMP1.6 COMP2.6 D28.K R35.2 R36.2 | length 33
  Top Layer w0.254: R36.2@68.362,90.497 68.362,90.73 70.932,93.3 71.6,93.3 72,93.7 72,94.866 72.6,95.466 73.843,95.466 74.458,94.851 R35.2@74.458,93.319 ; R35.2@74.458,93.307 R35.2@74.458,93.319 ; COMP2.6@80.333,97.776 83.221,97.776 86.015,94.982 86.015,94.22 86.916,93.319 ; COMP1.3@87.826,93.319 86.916,93.319 ; R35.2@74.458,93.319 COMP1.6@82.426,93.319 86.916,93.319
BRAKE_PRESSURE_F_1_3_3: R36.1 R37.2 U0.13 | length 45.1
  Top Layer w0.254: R36.1@68.362,88.997 68.362,88.886 69.886,90.41 R37.2@69.886,90.497 ; R36.1@68.592,88.874 71.7,85.766 71.7,58.37 79.203,50.867 U0.13@79.203,50.495 U0.13@79.203,50.489